# Allegro board RV1126B_mainboard.brd (continued)
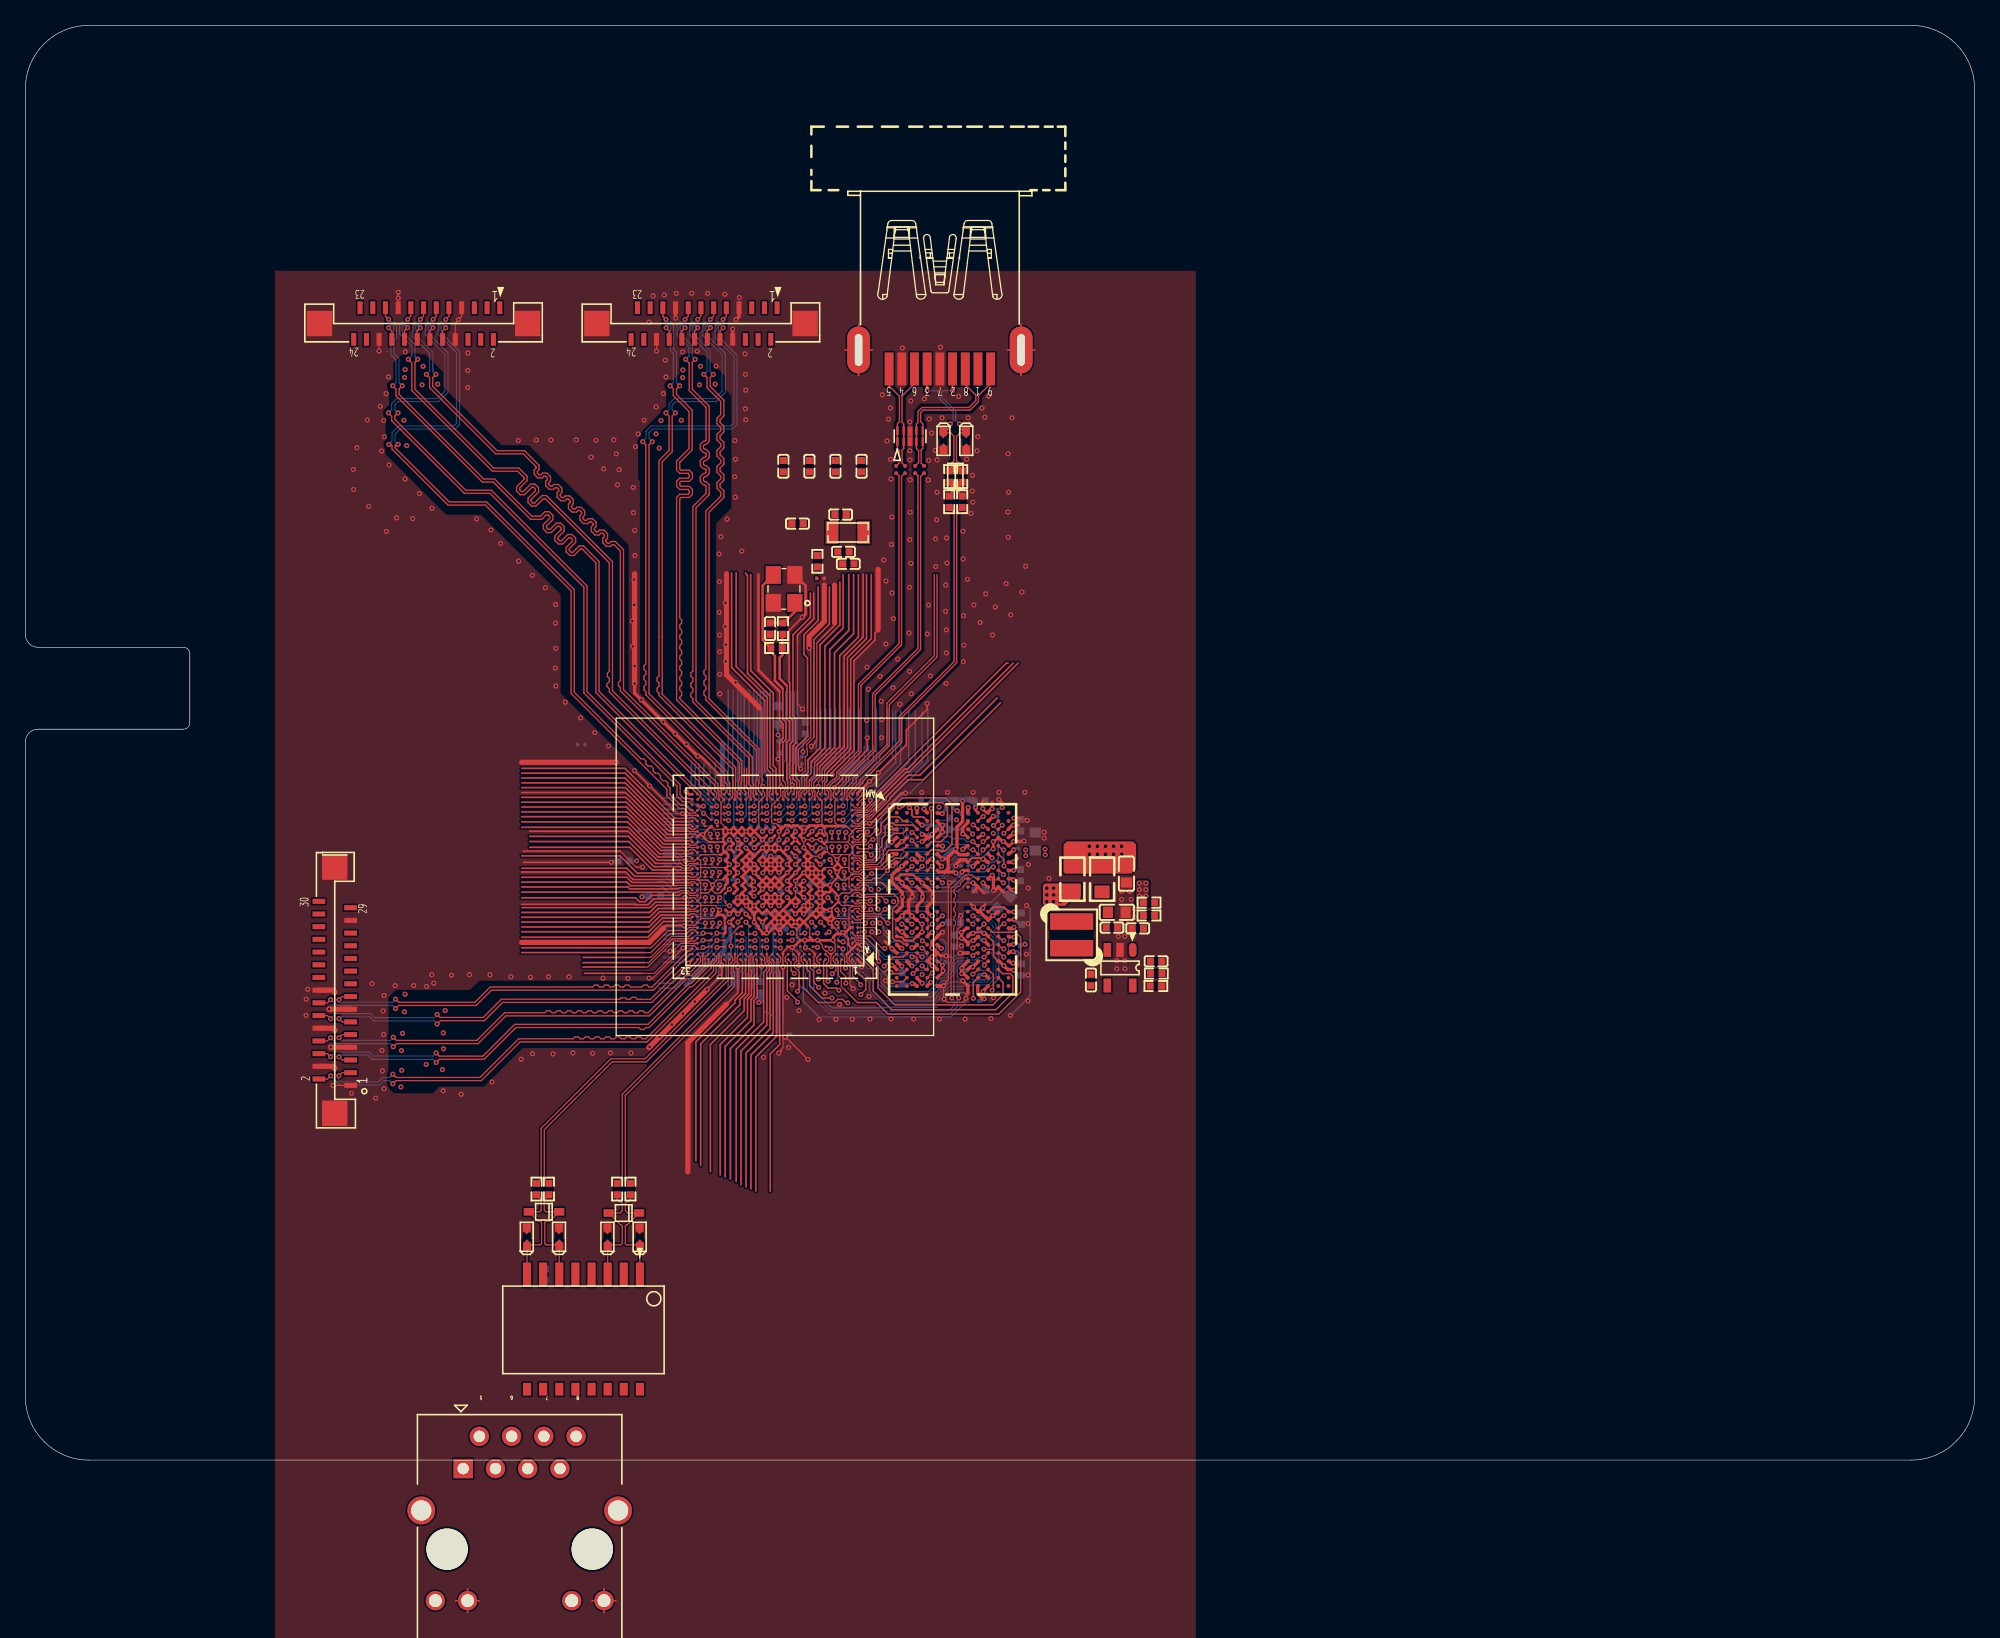
[diagram p0: board, top side]
## Routing (per net, layer and track width the routed paths; a pad name or vN(x,y) marks a point on that pad's centre or on a via; arc(x,y) is an arc through that point) (continued)
MIPI_DSI_D2P: length 32.6
  TOP w0.089: 48.46,36.31 48.46,36.31 48.43,36.31 ; U1000.A31 52.93,39.36 52.32,38.75 51.67,38.75
  TOP w0.097: 48.46,36.31 49.23,36.31 51.67,38.75 ; J5400.12 23.78,35.03 v1(24.03,34.78) ; v1(32.42,35.11) 32.66,34.88 36.04,34.88 37.48,36.31 46.81,36.31 46.93,36.43 47.25,36.43 47.37,36.31 47.62,36.31 47.77,36.46 48.03,36.46 48.18,36.31 48.43,36.31
  BOTTOM w0.097: v1(32.42,35.11) 32.17,34.86 27.53,34.86 27.21,35.18 24.43,35.18 v1(24.03,34.78)
MIPI_DSI_D3N: length 31.6
  TOP w0.097: v1(29.15,35.58) 29.4,35.83 35.5,35.83 36.7,37.03 49.46,37.03 52.3,39.87 U1000.B32 ; J5400.14 23.78,36.03 v1(24.03,36.28)
  BOTTOM w0.097: v1(29.15,35.58) 28.9,35.83 24.61,35.83 24.42,36.01 24.3,36.01 v1(24.03,36.28)
MIPI_DSI_D3P: length 31.6
  TOP w0.097: v1(29.15,36.32) 29.4,36.08 35.4,36.08 36.6,37.28 44.67,37.28 44.82,37.43 45.08,37.43 45.23,37.28 45.48,37.28 45.63,37.43 45.89,37.43 46.04,37.28 46.3,37.28 46.45,37.43 46.7,37.43 46.85,37.28 47.11,37.28 47.26,37.43 47.51,37.43 47.67,37.28 48.54,37.28 48.69,37.43 48.95,37.43 49.1,37.28 49.35,37.28 52.19,40.12 52.34,40.12 U1000.C32 ; v1(24.69,36.28) 24.94,36.53 J5400.15
  BOTTOM w0.097: v1(24.69,36.28) 24.67,36.25 24.67,36.12 24.71,36.08 28.9,36.08 v1(29.15,36.32)
MIPI_REFCLK_OUT0: length 15.3
  TOP w0.089: 52.22,49.55 52.24,49.53 U1000.AE31
  TOP w0.127: 52.22,49.55 50.68,49.55 47.26,52.98 39.08,52.98
MIPI_REFCLK_OUT1: length 15.5
  TOP w0.089: U1000.AF31 52.69,49.71 52.39,49.71 52.29,49.81 52.22,49.81
  TOP w0.127: 52.22,49.81 50.79,49.81 47.23,53.36 39.08,53.36
MIPI_REFCLK_OUT2: length 15
  TOP w0.089: 52.22,50.32 52.46,50.32 U1000.AG32
  TOP w0.127: 52.22,50.32 51.04,50.32 47.23,54.13 39.08,54.13
MIPI_REFCLK_OUT3: length 15.6
  TOP w0.089: U1000.AG31 52.69,50.61 52.32,50.61 52.28,50.57 51.15,50.57
  TOP w0.127: 39.08,54.51 47.21,54.51 51.15,50.57
MIPI_RX0_PDN0: length 4.1
  TOP w0.089: v1(53.4,50.31) 53.4,50.08 U1000.1Y23
  BOTTOM w0.127: 50.26,51.67 52.03,51.67 v1(53.4,50.31)
MIPI_RX0_PDN1: length 5.4
  TOP w0.127: v1(54.5,49.32) 54.5,48.98 U1000.1V21
  BOTTOM w0.089: 52.93,50.28 53.23,49.97 53.84,49.97 v1(54.5,49.32)
  BOTTOM w0.127: 52.93,50.28 51.91,51.29 50.26,51.29
MIPI_RX0_RST0: length 4.6
  TOP w0.089: U1000.1T22 54.02,48.23 v1(53.93,48.32)
  BOTTOM w0.089: 53.12,48.69 53.57,48.69 53.93,48.33 v1(53.93,48.32)
  BOTTOM w0.127: 53.12,48.69 52.14,49.67 50.26,49.67
MIPI_RX0_RST1: length 5.3
  TOP w0.089: U1000.1T21 54.52,48.29 v1(54.5,48.32)
  BOTTOM w0.089: v1(54.5,48.32) 54.5,48.33 54.07,48.75 53.76,48.75 53.64,48.88 53.28,48.88 53.16,49.01
  BOTTOM w0.127: 53.16,49.01 52.11,50.05 50.26,50.05
NPOR_DET: length 18
  TOP w0.089: 60.67,53.81 60.96,53.52 60.96,52.97 60.73,52.75 60.73,52.29 U1000.AL13
  TOP w0.127: 60.67,53.81 60.67,56.12 61.59,57.03 61.59,63.21 61.31,63.48 61.31,65.03 62.43,66.15 62.43,68.82
NPU_PWM: length 8.7
  TOP w0.127: U1000.1AC8 61.03,51.45 61.3,51.45 v1(61.38,51.53)
  BOTTOM w0.089: 61.73,53.5 61.73,52.73 61.38,52.38 v1(61.38,51.53)
  BOTTOM w0.127: 63.04,59.17 63.04,55.56 62.1,54.62 62.1,53.86 61.73,53.5
OSC_XIN: length 19.1
  TOP w0.089: 59.64,53.78 59.64,53.54 59.86,53.33 59.86,52.88 59.65,52.67 U1000.AL15
  TOP w0.127: 59.64,60.79 59.64,58.4 59.9,58.15 59.9,56.79 59.64,56.54 59.64,53.78
  TOP w0.203: 58.89,69.75 58.06,68.91 58.06,64.64 R1103.2 58.7,63.68 59.02,63.36 59.02,61.41 59.64,60.79
OSC_XOUT: length 13.7
  TOP w0.089: U1000.AL14 59.83,52.29 59.83,52.59 60.04,52.79 60.04,53.45 59.96,53.53 59.96,53.72
  TOP w0.127: 59.96,53.72 59.96,56.55 60.16,56.75 60.16,58.2 59.96,58.4 59.96,61.02 59.93,61.05
  TOP w0.203: 59.93,61.05 59.4,61.58 59.4,63.23 59.6,63.43 R1103.1 59.6,64.94 59.66,65 R1101.2
PCM_CLK_BT: length 6.2
  TOP w0.089: U1000.1A14 58.07,40.4 v1(58.38,40.4)
  BOTTOM w0.089: v1(58.38,40.4) 58.38,39.74 58.87,39.25 58.87,38.97
  BOTTOM w0.127: 58.63,34.93 58.87,35.17 58.87,38.97
PCM_RX_BT: length 6.7
  TOP w0.089: v1(58.38,40.96) 58.38,40.96 U1000.1B14
  BOTTOM w0.089: v1(58.38,40.96) 58.04,40.63 58.04,39.75 58.62,39.18 58.62,38.97
  BOTTOM w0.127: 58.45,35.1 58.62,35.27 58.62,38.97
PCM_SYNC_BT: length 3.9
  TOP w0.089: U1000.1A16 57.37,40.46 v1(57.46,40.37)
  BOTTOM w0.089: v1(57.46,40.37) 57.6,40.23 57.6,38.97
  BOTTOM w0.127: 57.24,37.2 57.24,37.96 57.6,38.32 57.6,38.97
PCM_TX_BT: length 4.5
  TOP w0.089: v1(57.46,40.94) 57.44,40.96 U1000.1B16
  BOTTOM w0.089: 57.26,38.95 57.26,39.97 57.12,40.11 57.12,40.6 v1(57.46,40.94)
  BOTTOM w0.127: 56.99,37.2 56.99,38.09 57.26,38.36 57.26,38.95
PDM_CLK0: length 9.9
  TOP w0.127: U1000.1AC16 57.31,51.46 v1(57.38,51.53)
  BOTTOM w0.127: v1(57.38,51.53) 57.38,52.43 56.61,53.2 56.61,60.69
PDM_CLK1: length 4.5
  TOP w0.089: U1000.1AA22 54.02,50.46 53.96,50.46 53.48,50.94 53.42,50.94 v1(53.4,50.96)
  BOTTOM w0.127: 50.26,52.18 52.2,52.18 53.4,50.99 v1(53.4,50.96)
PMIC_INT: length 9.7
  TOP w0.089: v1(59.38,51.53) 59.31,51.46 U1000.1AC12
  BOTTOM w0.089: 59.15,53.49 59.15,52.18 59.38,51.95 v1(59.38,51.53) 59.38,51.52
  BOTTOM w0.127: 58.64,60.56 58.64,54.59 59.15,54.09 59.15,53.49
PWM4_M1/ICR_BIN/LCDC_D3: length 14.1
  TOP w0.089: U1000.P31 52.69,44.67 52.39,44.67 52.19,44.87 51.58,44.87 51.47,44.75
  TOP w0.127: 39.08,44.75 51.47,44.75
PWM5_M1/ICR_AIN/LCDC_D2: length 13.6
  TOP w0.089: U1000.P32 52.32,45.1 51.52,45.1 51.43,45.01
  TOP w0.127: 51.43,45.01 47.6,45.01 47.45,45.16 39.08,45.16
PWM6_M1/LCDC_DEN: length 9.4
  TOP w0.089: U1000.F32 52.22,41.26 50.89,41.26 49.24,39.61 48.73,39.61
  TOP w0.127: 43.91,39.61 48.73,39.61
PWM7_M1/CAN0_RXD: length 6
  TOP w0.089: v1(55.44,43.68) 55.33,43.68 55.12,43.89 U1000.2D13
  BOTTOM w0.089: v1(55.44,43.68) 55.12,43.68 55.08,43.71 52.46,43.71 51.91,43.16 51.53,43.16
  BOTTOM w0.127: 51.53,43.16 50.26,43.16
PWM8_M1/LCDC_CLK: length 10.1
  TOP w0.089: 48.61,38.35 49.53,38.35 51.16,39.98 51.16,40.25 51.61,40.71 U1000.D31
  TOP w0.127: 44.01,38.35 48.61,38.35
PWM9_M1/LCDC_VSYNC: length 9.4
  TOP w0.089: 48.73,39.2 49.09,39.2 50.71,40.82 50.97,41.08 52.47,41.08 U1000.E32
  TOP w0.127: 43.91,39.2 48.73,39.2
PWM10_M1/LCDC_HSYNC: length 10
  TOP w0.089: U1000.E31 52.69,40.89 51.05,40.89 49.01,38.85 48.73,38.85
  TOP w0.127: 43.91,38.85 48.73,38.85
PWM11_M1/CAN0_TXD: length 4.2
  TOP w0.089: U1000.1C22 53.97,41.52 v1(53.37,41.52)
  BOTTOM w0.127: 50.26,40.62 51.53,40.62 51.66,40.75 52.16,40.75 52.77,41.36 53.21,41.36 v1(53.37,41.52)
PWR_CTRL0: length 18.6
  TOP w0.089: U1000.AM11 61.54,52.67 61.54,53.78 61.89,54.14 61.89,54.53
  TOP w0.127: 64.39,69.79 64.39,65.55 62.96,64.12 62.96,56.12 61.89,55.05 61.89,54.53
PWR_CTRL1: length 9.6
  TOP w0.089: v1(62.38,50.96) 62.38,50.96 U1000.1AB6
  BOTTOM w0.089: v1(62.38,50.96) 62.75,51.34 62.75,51.98 63.28,52.5 63.28,53.13 63.72,53.58
  BOTTOM w0.102: 63.97,54.21 63.9,54.14 63.9,53.76 63.72,53.58
  BOTTOM w0.127: 63.97,54.21 64.89,55.13 64.89,59.17
PWR_CTRL2: length 9.7
  TOP w0.127: U1000.1AC10 60.31,51.46 v1(60.38,51.53)
  BOTTOM w0.089: 60.76,53.58 60.76,53.04 60.38,52.65 v1(60.38,51.53)
  BOTTOM w0.127: 60.76,53.58 60.76,54.12 60.65,54.24 60.65,54.62 60.8,54.77 60.8,60.56
RD+: length 9.1
  TOP w0.097: R6502.2 46.6,20.46 46.7,20.36 46.9,20.36 47,20.26 47,19.64 46.83,19.47 ED6504.1 46.85,18.55 46.9,18.55 47,18.45 47,17.06 46.9,16.96 ED6503.1 45.85,16.96 U6500.3
RD-: length 9.1
  TOP w0.097: R6503.2 47.64,20.46 47.55,20.36 47.34,20.36 47.25,20.26 47.25,19.64 47.42,19.47 ED6504.2 47.41,18.55 47.34,18.55 47.25,18.45 47.25,17.06 47.34,16.96 ED6505.1 48.39,16.96 U6500.1
RTC_XIN: length 18.8
  TOP w0.089: U1000.AM8 62.59,52.47 62.77,52.65 62.77,53.45 62.93,53.61 62.93,54.31 63,54.38
  TOP w0.127: 66.24,69.79 66.24,64.73 64.74,63.23 64.74,56.11 63,54.38
RTC_XOUT: length 18.9
  TOP w0.089: 63.18,54.2 63.14,54.15 63.14,53.51 62.95,53.32 62.95,52.53 U1000.AM7
  TOP w0.127: 63.18,54.2 64.99,56.01 64.99,63.1 66.62,64.73 66.62,69.79
SARADC0_IN0_KEY: length 6.8
  TOP w0.089: U1000.1B20 54.67,40.96 54.66,40.95 v1(54.46,40.95)
  BOTTOM w0.127: v1(54.46,40.95) 54.07,40.56 54.07,40.12 53.69,39.74 53.31,39.74 52.29,38.72 52.13,38.72 50.99,37.58 49.88,37.58
SARADC0_IN1_CDS: length 5
  TOP w0.089: U1000.1C18 56.05,41.43 56.36,41.43 v1(56.43,41.5)
  BOTTOM w0.089: 56.74,39.74 56.74,39.92 56.76,39.95 56.76,41.17 v1(56.43,41.5)
  BOTTOM w0.127: 56.48,37.2 56.48,38.34 56.74,38.59 56.74,39.74
SARADC0_IN2_HW_ID: length 3.7
  TOP w0.089: v1(56.43,40.37) 56.41,40.37 56.32,40.46 U1000.1A18
  BOTTOM w0.127: 56.23,37.2 56.23,38.47 56.48,38.72 56.48,39.93 56.43,39.98 v1(56.43,40.37)
SARADC0_IN3: length 4.5
  TOP w0.089: v1(56.43,40.94) 56.41,40.94 56.4,40.93 56.05,40.93 U1000.1B18
  BOTTOM w0.089: v1(56.43,40.94) 56.41,40.94 56.07,40.61 56.07,39.33 55.72,38.97
  BOTTOM w0.127: 55.72,38.97 55.72,37.2
SARADC0_IN4_LCD_ID: length 6
  TOP w0.089: U1000.2B11 v1(56.11,42.4)
  BOTTOM w0.089: v1(56.11,42.4) 56.11,42.03 55.9,41.82 55.9,39.53 55.47,39.1
  BOTTOM w0.127: 55.34,37.2 55.34,38.97 55.47,39.1
SARADC0_IN5: length 7.1
  TOP w0.089: U1000.1C16 57.41,41.46 v1(57.46,41.5)
  BOTTOM w0.089: 58.36,38.97 58.36,39.13 57.85,39.63 57.85,41.08 57.46,41.48 v1(57.46,41.5)
  BOTTOM w0.127: 58.27,35.28 58.36,35.38 58.36,38.97
SARADC0_IN6: length 5.9
  TOP w0.089: U1000.2A10 56.75,42.38 v1(56.75,42.38)
  BOTTOM w0.089: 57.01,39.86 57.01,39.95 56.94,40.01 56.94,42.19 v1(56.75,42.38)
  BOTTOM w0.127: 56.74,37.2 56.74,38.19 57.01,38.47 57.01,39.86
SARADC0_IN7_BOOT: length 6.6
  TOP w0.089: U1000.1A20 54.73,40.46 54.66,40.39 v1(54.46,40.39)
  BOTTOM w0.089: 52.67,38.72 53.43,39.48 53.81,39.48 54.46,40.13 v1(54.46,40.39)
  BOTTOM w0.127: 49.88,37.2 51.15,37.2 52.67,38.72
SDIO_CLK: length 18.5
  TOP w0.089: 56.95,38.34 56.95,39.63 U1000.B22
  TOP w0.127: 53.94,22.72 53.94,32.75 56.6,35.41 56.6,36.35 56.95,36.7 56.95,38.34
SDIO_CMD: length 18.4
  TOP w0.089: U1000.B21 57.13,38.58 57.17,38.54
  TOP w0.127: 54.71,22.48 54.71,32.74 56.86,34.89 56.86,36.3 57.17,36.61 57.17,38.54
SDIO_D0: length 17.7
  TOP w0.127: 53.18,23.23 53.18,32.8 56.27,35.88 56.27,36.32 56.71,36.76 U1000.A22
SDIO_D1: length 17.4
  TOP w0.089: U1000.A23 56.46,39.28 56.46,38.74
  TOP w0.127: 52.8,23.6 52.8,32.95 55.87,36.03 55.87,36.23 56.46,36.81 56.46,38.74
SDIO_D2: length 18.2
  TOP w0.089: 57.62,38.72 57.62,39.38 U1000.A20
  TOP w0.127: 57.62,38.72 57.62,36.45 57.37,36.2 57.37,34.28 55.52,32.42 55.52,22.14
SDIO_D3: length 18.6
  TOP w0.089: U1000.B20 57.31,39.63 57.31,39.29 57.39,39.21 57.39,38.1
  TOP w0.127: 57.39,38.1 57.39,36.52 57.14,36.28 57.14,34.63 55.11,32.6 55.11,22.31
SDMMC0_CLK: length 4.2
  TOP w0.089: v1(55.38,51.53) 55.31,51.46 U1000.1AC20
  BOTTOM w0.127: 54.32,54.95 54.32,53.07 55.38,52.01 v1(55.38,51.53)
SDMMC0_CMD: length 9.8
  TOP w0.127: U1000.1AC18 56.31,51.46 v1(56.38,51.53)
  BOTTOM w0.127: 55.72,60.69 55.72,52.94 56.38,52.28 v1(56.38,51.53)
SDMMC0_D0: length 4.9
  TOP w0.089: v1(55.38,50.96) 55.38,50.96 U1000.1AB20
  BOTTOM w0.089: v1(55.38,50.96) 55.05,51.3 55.05,51.99
  BOTTOM w0.127: 53.92,54.85 53.92,53.12 55.05,51.99
SDMMC0_D1: length 5.6
  TOP w0.089: v1(55.38,50.4) 55.32,50.46 U1000.1AA20
  BOTTOM w0.089: v1(55.38,50.4) 55.38,50.45 54.84,51 54.84,51.77 54.69,51.92
  BOTTOM w0.127: 54.69,51.92 53.43,53.17 53.43,54.85
SDMMC0_D2/JTAG_TCK: length 10.5
  TOP w0.089: v1(56.38,50.96) 56.38,50.96 U1000.1AB18
  BOTTOM w0.127: v1(56.38,50.96) 56.02,51.32 56.02,52.26 55.34,52.94 55.34,60.69
SDMMC0_D3/JTAG_TMS: length 11.1
  TOP w0.089: U1000.1AA18 56.08,50.4 v1(56.38,50.4)
  BOTTOM w0.127: v1(56.38,50.4) 56.76,50.78 56.76,52.28 56.1,52.94 56.1,60.69
SDMMC0_DET: length 19.3
  TOP w0.089: 62.35,54.78 62.35,53.96 61.9,53.52 61.9,52.73 62,52.64 62,52.29 61.75,52.05 U1000.AL10
  TOP w0.127: 65.22,69.79 65.22,65.11 63.72,63.61 63.72,56.15 62.35,54.78
TD+: length 9
  TOP w0.097: U6500.8 39.5,16.96 ED6500.1 40.55,16.96 40.65,17.06 40.65,18.73 40.55,18.83 40.38,18.83 ED6501.1 40.51,19.57 40.62,19.68 40.62,20.54 R6500.2
TD-: length 9.3
  TOP w0.097: U6500.6 42.04,16.96 ED6502.1 40.99,16.96 40.9,17.06 40.9,18.73 40.99,18.83 41.3,18.83 ED6501.2 40.98,19.57 40.87,19.68 40.87,20.54 R6501.2
TP_INT_L/LCDC_D6: length 13.7
  TOP w0.089: U1000.L32 52.51,43.65 52.45,43.71 52.22,43.71
  TOP w0.127: 39.08,43.15 49.17,43.15 49.73,43.71 52.22,43.71
TP_RST_L/LCDC_D4: length 14.3
  TOP w0.089: 51.51,44.5 51.7,44.69 52.11,44.69 52.31,44.49 U1000.N31
  TOP w0.127: 39.08,44.31 48.05,44.31 48.35,44 48.81,44 49.31,44.5 51.51,44.5
TSADC_SHUT: length 18.5
  TOP w0.089: U1000.AL11 61.09,52.29 61.09,52.58 61.34,52.83 61.34,53.87 61.64,54.16 61.64,54.47
  TOP w0.127: 64.14,69.2 64.14,65.81 62.58,64.25 62.58,56.12 61.64,55.18 61.64,54.47
TYPEC_DM: length 10.1
  TOP w0.102: FB2500.4 73.51,78.57 73.32,78.76 73.32,80.66 73.61,80.95 73.97,80.95 ; 73.97,80.95 73.56,81.35 v1(73.56,81.66) ; 73.97,80.95 ED2500.1
  TOP w0.127: J2501.2 v1(73.01,84.27)
  BOTTOM w0.102: v1(73.01,84.27) 72.26,84.27 72.15,84.15 72.15,83.77 73.26,82.66 73.26,81.96 v1(73.56,81.66)
TYPEC_DP: length 10.2
  TOP w0.102: 72.36,80.95 72.86,80.95 73.12,80.69 73.12,78.73 72.96,78.57 FB2500.2
  TOP w0.127: J2501.3 v1(71.01,84.25) ; ED2501.1 72.36,80.95 72.84,81.43 v1(72.84,81.66)
  BOTTOM w0.102: v1(71.01,84.25) 71.84,84.25 71.94,84.15 71.94,83.69 73.06,82.57 73.06,81.87 v1(72.84,81.66)
UART0_RX_DBG/JTAG_TMS: length 19.2
  TOP w0.089: 62.55,54.65 62.55,53.84 62.08,53.36 62.08,52.8 62.17,52.71 U1000.AL9
  TOP w0.127: 65.6,69.79 65.6,64.86 64.13,63.38 64.13,56.22 62.55,54.65
UART0_TX_DBG/JTAG_TCK: length 18.6
  TOP w0.089: 62.15,54.94 62.15,54.01 61.73,53.59 61.73,52.49 U1000.AM10
  TOP w0.127: 64.84,69.79 64.84,65.36 63.34,63.87 63.34,56.13 62.15,54.94
UART2_CTSN_BT: length 19.2
  TOP w0.089: U1000.B18 58.39,39.27 58.56,39.11 58.56,38.59 58.39,38.41 58.39,38.08
  TOP w0.127: 56.35,21.69 56.35,32.24 58.39,34.27 58.39,38.08
UART2_RTSN_BT: length 19.1
  TOP w0.089: 58.13,38.47 58.38,38.71 58.38,39.01 58.21,39.18 58.21,39.63 U1000.B19
  TOP w0.127: 58.13,38.47 58.13,34.53 55.97,32.37 55.97,21.95
UART2_RX_BT: length 19.3
  TOP w0.089: 58.64,38.34 58.75,38.45 58.75,39.17 58.57,39.35 58.57,39.63 U1000.B17
  TOP w0.127: 56.75,21.53 56.75,32.08 58.64,33.97 58.64,38.34
UART2_TX_BT: length 18.9
  TOP w0.089: 58.89,38.21 58.89,38.29 58.94,38.34 58.94,39.32 U1000.A17
  TOP w0.127: 57.14,21.37 57.14,31.92 58.89,33.68 58.89,38.21
USB2_HOST_DM: length 20.7
  TOP w0.089: U1000.AL3 64.69,52.7 65.42,53.43
  TOP w0.102: 65.42,53.43 65.42,53.68 68.03,56.3 68.03,59.51 71.8,63.27 71.8,69.79
USB2_HOST_DP: length 20.8
  TOP w0.089: 65.14,53.44 64.51,52.81 64.51,52.29 64.27,52.05
  TOP w0.102: 64.27,52.05 U1000.AL4 ; 71.57,69.79 71.57,63.37 67.84,59.65 67.84,56.37 65.14,53.67 65.14,53.44
USB2_OTG_DM: length 26.2
  TOP w0.102: U1000.AM2 65.11,52.53 65.95,53.37 65.95,53.5 69.01,56.56 69.01,58.51 73.34,62.83 73.34,74.58 73.35,74.59 73.35,74.64 R2501.1
USB2_OTG_DP: length 26.7
  TOP w0.089: U1000.AL2 64.87,52.29 64.87,52.59 64.98,52.7 64.99,52.7
  TOP w0.102: 73.13,74.68 73.13,62.91 68.81,58.59 68.81,56.64 65.75,53.58 65.75,53.46 64.99,52.7
  TOP w0.127: R2502.1 73.13,74.68
USB2_OTG_ID: length 9.6
  TOP w0.089: U1000.1AB2 64.05,50.98 64.38,50.98 v1(64.38,50.99)
  BOTTOM w0.089: 65.27,52.54 65.27,52.46 64.74,51.93 64.74,51.35 v1(64.38,50.99)
  BOTTOM w0.114: 65.27,52.54 65.27,52.8 65.42,52.94 65.42,53.37 67.02,54.98
  BOTTOM w0.127: 67.02,59.17 67.02,54.98
USB2_OTG_VBUSDET: length 10.6
  TOP w0.089: U1000.1AA2 64.05,50.48 64.3,50.48 64.35,50.43 v1(64.38,50.43)
  BOTTOM w0.089: 65.5,52.31 64.99,51.8 64.99,51.04 v1(64.38,50.43)
  BOTTOM w0.114: 67.91,56.25 67.28,55.61 67.28,54.85 65.68,53.25 65.68,52.82 65.52,52.66 65.52,52.33 65.5,52.31
  BOTTOM w0.127: 67.91,59.17 67.91,56.25
USB3_SSRX+: length 8.3
  TOP w0.102: J2501.6 70.01,84.83 69.03,83.85 69.03,81.79 69.17,81.65 ED2502.9 ED2502.2 69.17,79.71 69.04,79.58 69.04,78.56 R2510.2
USB3_SSRX-: length 8.2
  TOP w0.102: R2513.2 68.84,78.6 68.84,79.54 68.67,79.71 ED2502.1 ED2502.10 68.67,81.65 68.83,81.81 68.83,83.82 68.01,84.64 J2501.5
USB3_SSRXN: length 28.4
  TOP w0.089: U1000.AL7 63.04,52.05 63.26,52.27 63.26,52.65 63.14,52.77 63.14,53.18 63.59,53.63 63.69,53.63 63.89,53.83 63.89,54.18 63.92,54.21
  TOP w0.102: 63.92,54.21 65.6,55.9 65.6,61.13 68.79,64.32 68.79,77.55 R2513.1
USB3_SSRXP: length 28.3
  TOP w0.089: U1000.AL6 63.43,52.74 63.33,52.85 63.33,53.1 63.67,53.44 63.76,53.44 64.08,53.75 64.08,54.08 64.15,54.16
  TOP w0.102: 64.15,54.16 65.8,55.81 65.8,61.05 68.99,64.24 68.99,77.5 R2510.1
USB3_SSTX+: length 12.3
  TOP w0.102: J2501.9 76.01,84.84 75.05,83.87 75.05,83.4 74.39,82.74 70.69,82.74 70.49,82.54 70.49,81.82 70.67,81.65 ED2502.6 ED2502.5 70.67,79.71 70.55,79.58 70.55,78.55 C2502.2
USB3_SSTX-: length 12.3
  TOP w0.102: J2501.8 74.01,84.74 74.85,83.91 74.85,83.48 74.31,82.94 70.61,82.94 70.29,82.62 70.29,81.77 70.17,81.65 ED2502.7 ED2502.4 70.17,79.71 70.34,79.53 70.34,78.6 C2504.2
USB3_SSTXN: length 28.1
  TOP w0.089: U1000.AM5 64.08,52.7 64.08,53.03 64.63,53.58 64.63,53.65
  TOP w0.102: C2504.1 70.29,77.56 70.29,63.95 66.72,60.38 66.72,55.97 64.63,53.88 64.63,53.65
USB3_SSTXP: length 28
  TOP w0.089: 64.83,53.65 64.83,53.51 64.3,52.98 64.3,52.49
  TOP w0.102: 64.83,53.65 64.83,53.8 66.92,55.89 66.92,60.29 70.49,63.87 70.49,77.51 C2502.1 ; U1000.AM4 64.3,52.49
WIFI_WAKE_HOST: length 6.1
  TOP w0.089: U1000.1AC2 64.29,51.46 v1(64.38,51.55)
  BOTTOM w0.089: 65.01,52.8 65.01,52.58 64.38,51.95 v1(64.38,51.55)
  BOTTOM w0.114: 65.16,53.28 65.16,53.09 65.01,52.94 65.01,52.8
  BOTTOM w0.127: 66.77,56.25 66.77,55.1 65.16,53.49 65.16,53.28
WIFI_WAKE_HOST_OPTION: length 19.2
  TOP w0.089: U1000.B16 59.47,39.63 59.47,39.3 59.31,39.13 59.31,38.56 59.4,38.47 59.4,38.34
  TOP w0.127: 58.65,21.19 58.65,32 59.4,32.75 59.4,38.34
N18124767: length 1
  TOP w0.254: v1(72.2,50.94) 72.18,50.96 71.87,50.96 U3300.A5
  BOTTOM w0.254: v1(72.2,50.94) 72.2,50.96 72.23,50.99 72.23,51.04 72.46,51.27 R3300.2
N18124770: length 0.9
  TOP w0.254: U3300.A8 74.22,51.39 v1(74.24,51.42)
  BOTTOM w0.254: R3301.2 74.24,50.95 v1(74.24,51.42)
N18738367: length 3
  TOP w0.203: C1102.1 R1101.1 59.73,65.97 60.6,66.84 Y1100.1
N19448724: length 1
  TOP w0.102: FB2500.3 73.51,76.22 R2501.2
N19448784: length 1
  TOP w0.102: R2502.2 72.96,76.17 FB2500.1

## Copper pours and planes (outline as drawn; the poured copper is in the pictures)
GND on TOP: 19.65,93.71 19.65,-14.24 92.17,-14.24 92.17,93.71
GND on BOTTOM: 92.17,-14.24 92.17,93.71 19.65,93.71 19.65,-14.24 ; 2 cut-outs
GND on BOTTOM: 73.33,57.85 73.46,57.72 74.86,57.72 74.98,57.85 74.98,59.25 74.73,59.5 73.59,59.5 73.33,59.25
GND on L2_GND1, L5_GND2, L7_GND3: 92.17,-14.24 92.17,93.71 19.65,93.71 19.65,-14.24
GND on L3_POWER: 92.17,-14.24 92.17,93.71 19.65,93.71 19.65,-14.24 ; 1 cut-out
GND on L4_S1: 19.65,93.71 19.65,-14.24 92.17,-14.24 92.17,93.71 ; 1 cut-out
GND on L6_S2: 92.04,-14.24 92.04,93.71 19.65,93.71 19.65,-14.24 ; 1 cut-out
VCC0V6_DDR on TOP (solid shape): 87.47,48.5 87.47,46.59 87.09,46.21 81.88,46.21 81.75,46.34 81.75,48.5 82.01,48.75 87.22,48.75
VCC0V6_DDR on BOTTOM: 61.25,43.99 61.09,44.15 61.09,45.75 61.18,45.83 61.86,45.83 62.17,45.52 62.17,45.34 61.99,45.15 61.78,45.15 61.61,44.99 61.61,44.31 61.56,44.26 61.56,44.05 61.5,43.99
VCC0V6_DDR on L3_POWER: 81.25,46.97 76.29,46.97 75.94,47.32 75.94,47.61 75.44,48.12 74.07,48.12 73.75,48.44 71.66,48.44 70.83,47.61 70.83,47.23 70.71,47.1 69.05,47.1 67.15,45.2 65.63,45.2 64.86,44.43 62.32,44.43 62.07,44.69 61.75,44.69 61.56,44.5 61.56,44.18 61.43,44.05 61.24,44.05 61.05,44.24 61.05,47.36 61.56,47.86 64.48,47.86 69.31,52.69 84.8,52.69 87.41,50.09 87.41,41.83 81.75,36.18 76.8,36.18 75.66,37.32 74.26,37.32 73.5,38.08 73.5,39.23 73.63,39.35 74.26,39.35 74.9,39.99 74.9,40.62 75.4,41.13 75.66,41.13 76.93,39.86 79.6,39.86 82.14,42.4 82.14,46.09
VCC0V6_DDR on L4_S1: 68.67,39.61 68.67,38.34 69.69,37.32 71.59,37.32 72.74,38.47 72.74,40.37 72.36,40.75 69.82,40.75
VCC0V6_DDR on L6_S2: 75.53,37.32 75.79,37.58 75.79,38.47 75.53,38.72 74.13,38.72 73.63,39.23 71.98,39.23 71.34,38.59 71.34,38.47 71.09,38.21 70.32,38.21 70.07,37.96 70.07,37.32 70.32,37.07 71.85,37.07 72.1,37.32
VCC1V8_DDR on TOP: 87.47,45.58 87.47,43.8 87.6,43.67 88.36,43.67 88.49,43.8 88.49,45.58 88.36,45.7 87.6,45.7
VCC1V8_DDR on BOTTOM: 77.82,48.37 80.55,48.37 80.61,48.31 80.61,47.36 80.55,47.29 78.45,47.29 77.88,47.86 77.75,47.86 77.63,47.99 77.63,48.18
VCC1V8_DDR on L3_POWER: 75.15,41.13 75.79,41.13 76.93,39.99 79.21,39.99 79.72,40.5 79.72,41.39 79.47,41.64 77.69,41.64 76.55,42.78 74.9,42.78 74.39,42.28 74.39,40.88 74.52,40.75 74.77,40.75
VCC1V8_DDR on L4_S1: 67.78,47.74 68.42,47.1 72.29,47.1 73.06,46.34 74.9,46.34 75.02,46.47 76.42,46.47 76.93,45.96 76.93,40.56 77.37,40.12 87.22,40.12 88.87,41.77 88.87,46.72 88.23,47.36 83.79,47.36 81.79,49.36 81.75,49.36 80.07,51.04 68.8,51.04 67.78,50.02
VCC1V8_DDR on L6_S2: 70.07,39.99 68.8,39.99 68.67,40.12 68.67,41.77 69.18,42.28 69.18,42.53 69.56,42.91 72.86,42.91 73.5,42.28 73.75,42.28 74.77,41.26 74.77,40.43 74.74,40.4 74.74,40.09 73.88,39.23 72.61,39.23 72.36,39.48 70.58,39.48
VCC_1V8 on L4_S1: 57.62,48.12 57.5,47.99 55.97,47.99 55.59,48.37 55.59,49.26 55.21,49.64 55.08,49.64 54.45,50.28 54.45,54.09 55.34,54.98 56.99,54.98 57.31,54.66 57.31,49.96 57.12,49.77 57.12,49.01 57.62,48.5
VCC_1V8 on L4_S1: 62.32,46.72 62.2,46.59 60.55,46.59 59.91,47.23 59.91,53.71 60.04,53.83 60.04,56.88 60.16,57.01 61.82,57.01 62.32,56.5
VCC_3V3 on L3_POWER: 66.64,50.15 66.64,53.96 66.39,54.21 65.24,54.21 64.74,53.71 64.74,49.64 64.36,49.26 62.58,49.26 62.2,48.88 62.2,48.12 62.32,47.99 64.48,47.99
VCC_3V3 on L4_S1: 54.83,43.29 49.24,43.29 49.24,41.64 55.72,41.64 56.1,42.02 56.35,42.02 57.12,42.78 57.12,43.29 56.99,43.42 54.96,43.42
VCC_DDR on TOP (solid shape): 83.12,45.39 83.12,44.45 83.09,44.42 83.09,44.25 82.96,44.12 82.33,44.12 81.88,43.67 80.28,43.67 80.13,43.82 80.13,45.3 80.26,45.43 83.09,45.43
VCC_DDR on BOTTOM: 62.26,44.82 62.39,44.69 62.39,44.5 62.32,44.43 62.32,43.67 62.13,43.47 62.13,42.71 62.07,42.66 61.75,42.66 61.69,42.59 61.69,41.89 61.63,41.83 61.5,41.83 61.31,41.64 60.8,41.64 60.55,41.89 60.55,42.02 60.67,42.15 60.8,42.15 60.9,42.24 60.9,42.43 60.67,42.66 60.55,42.66 60.42,42.78 60.42,43.04 61.11,43.73 61.11,43.8 61.11,43.79 61.56,43.79 61.75,43.99 61.75,44.75 61.81,44.82
VCC_DDR on L3_POWER: 75.88,47.61 75.88,47.13 76.17,46.85 81.12,46.85 81.88,46.09 81.88,42.4 81.25,41.77 77.69,41.77 76.42,43.04 75.02,43.04 74.39,42.4 74.39,39.74 74.13,39.48 73.63,39.48 73.37,39.23 73.37,37.96 74.13,37.2 75.66,37.2 76.55,36.31 76.55,35.8 75.66,34.91 61.43,34.91 59.4,36.94 59.4,41.51 60.04,42.15 60.04,43.04 60.93,43.93 61.46,43.93 61.71,44.18 61.71,44.45 61.82,44.56 62.07,44.56 62.32,44.31 64.99,44.31 65.63,44.94 66.9,44.94 68.93,46.97 70.83,46.97 70.96,47.1 70.96,47.48 71.85,48.37 73.5,48.37 74.01,47.86 75.63,47.86
VCCIO_FLASH on L4_S1: 62.45,46.59 62.58,46.47 65.24,46.47 65.5,46.72 65.5,56.5 65.37,56.63 62.96,56.63 62.45,56.12
VCCIO_SD on L3_POWER: 56.35,48.63 57.5,48.63 57.75,48.88 57.75,57.01 57.37,57.39 56.23,57.39 55.97,57.13 55.97,49.01
VDD_0V9 on L3_POWER: 59.15,47.74 58.89,47.99 58.89,54.85 59.15,55.1 60.55,55.1 60.55,49.01 60.93,48.63 60.93,47.99 60.8,47.86 60.42,47.86 60.29,47.74
VDD_0V9 on L3_POWER: 62.7,49.39 62.32,49.39 62.2,49.51 62.2,53.45 63.09,54.34 64.1,54.34 64.23,54.21 64.23,49.77 63.97,49.51 62.83,49.51
VDD_CPU on BOTTOM: 57.88,46.21 58.23,45.86 58.54,45.86 58.77,46.09 59.4,46.09 59.53,46.21 59.53,47.61 59.4,47.74 58.01,47.74 57.88,47.61
VDD_CPU on L3_POWER: 56.23,45.83 45.18,45.83 45.18,48.75 45.43,49.01 55.59,49.01 55.97,48.63 58.39,48.63 58.51,48.5 58.51,48.12 59.53,47.1 59.53,45.96 59.28,45.7 56.35,45.7
VDD_LOGIC on BOTTOM: 57.62,44.31 57.24,44.31 56.74,44.82 56.74,45.2 56.61,45.32 56.61,45.7 56.72,45.82 57.39,45.82 57.54,45.67 57.58,45.71 58.53,45.71 58.74,45.92 59.24,45.92 59.28,45.96 59.91,45.96 60.42,45.45 60.42,44.56 60.29,44.43 60.16,44.43 60.04,44.56 59.78,44.56 59.78,45.2 59.66,45.32 59.34,45.32 59.23,45.21 57.84,45.21 57.84,44.52
VDD_LOGIC on L4_S1: 54.96,43.55 54.83,43.42 45.94,43.42 45.56,43.8 45.56,47.1 45.81,47.36 59.51,47.36 60.4,46.47 60.79,46.47 61.18,46.07 61.18,44.05 60.67,43.55
VDD_NPU on BOTTOM: 57.88,43.55 57.88,42.91 58.01,42.78 59.4,42.78 59.53,42.91 59.53,43.67 59.78,43.93 59.78,44.18 59.4,44.56 58.01,44.56 57.62,44.18 57.62,43.8
VDD_NPU on L3_POWER: 59.53,44.31 59.53,44.43 59.4,44.56 57.75,44.56 57.5,44.31 55.85,44.31 55.72,44.18 55.72,42.91 55.47,42.66 54.2,42.66 53.81,42.28 53.81,36.69 55.34,35.16 58.89,35.16 59.28,35.54 59.28,41.64 59.91,42.28 59.91,43.93
CODEC_AVDD_1V8 on L4_S1: 59.66,49.13 59.78,49.26 59.78,57.13 59.66,57.26 58.01,57.26 57.88,57.13 57.88,49.39 58.13,49.13

Small or netless copper shapes (teardrops, artwork), in the pictures only: 1 on BOTTOM
